# Altium PCB MC21R01.PcbDoc (part 4 of 5)
Units mm, origin at the board's own origin, x right, y up, seen from the top; angles counter-clockwise.
Board outline 100 x 50 mm, 8 copper layers (Top Layer, Layer 2, Layer 3, Layer 4, Layer 5, Layer 6, Layer 7, Bottom Layer), stack 1.724 mm thick; 418 components, 332 nets, 1931 pads, 729 vias.
Unrouted connection lines stored in the file: 192.
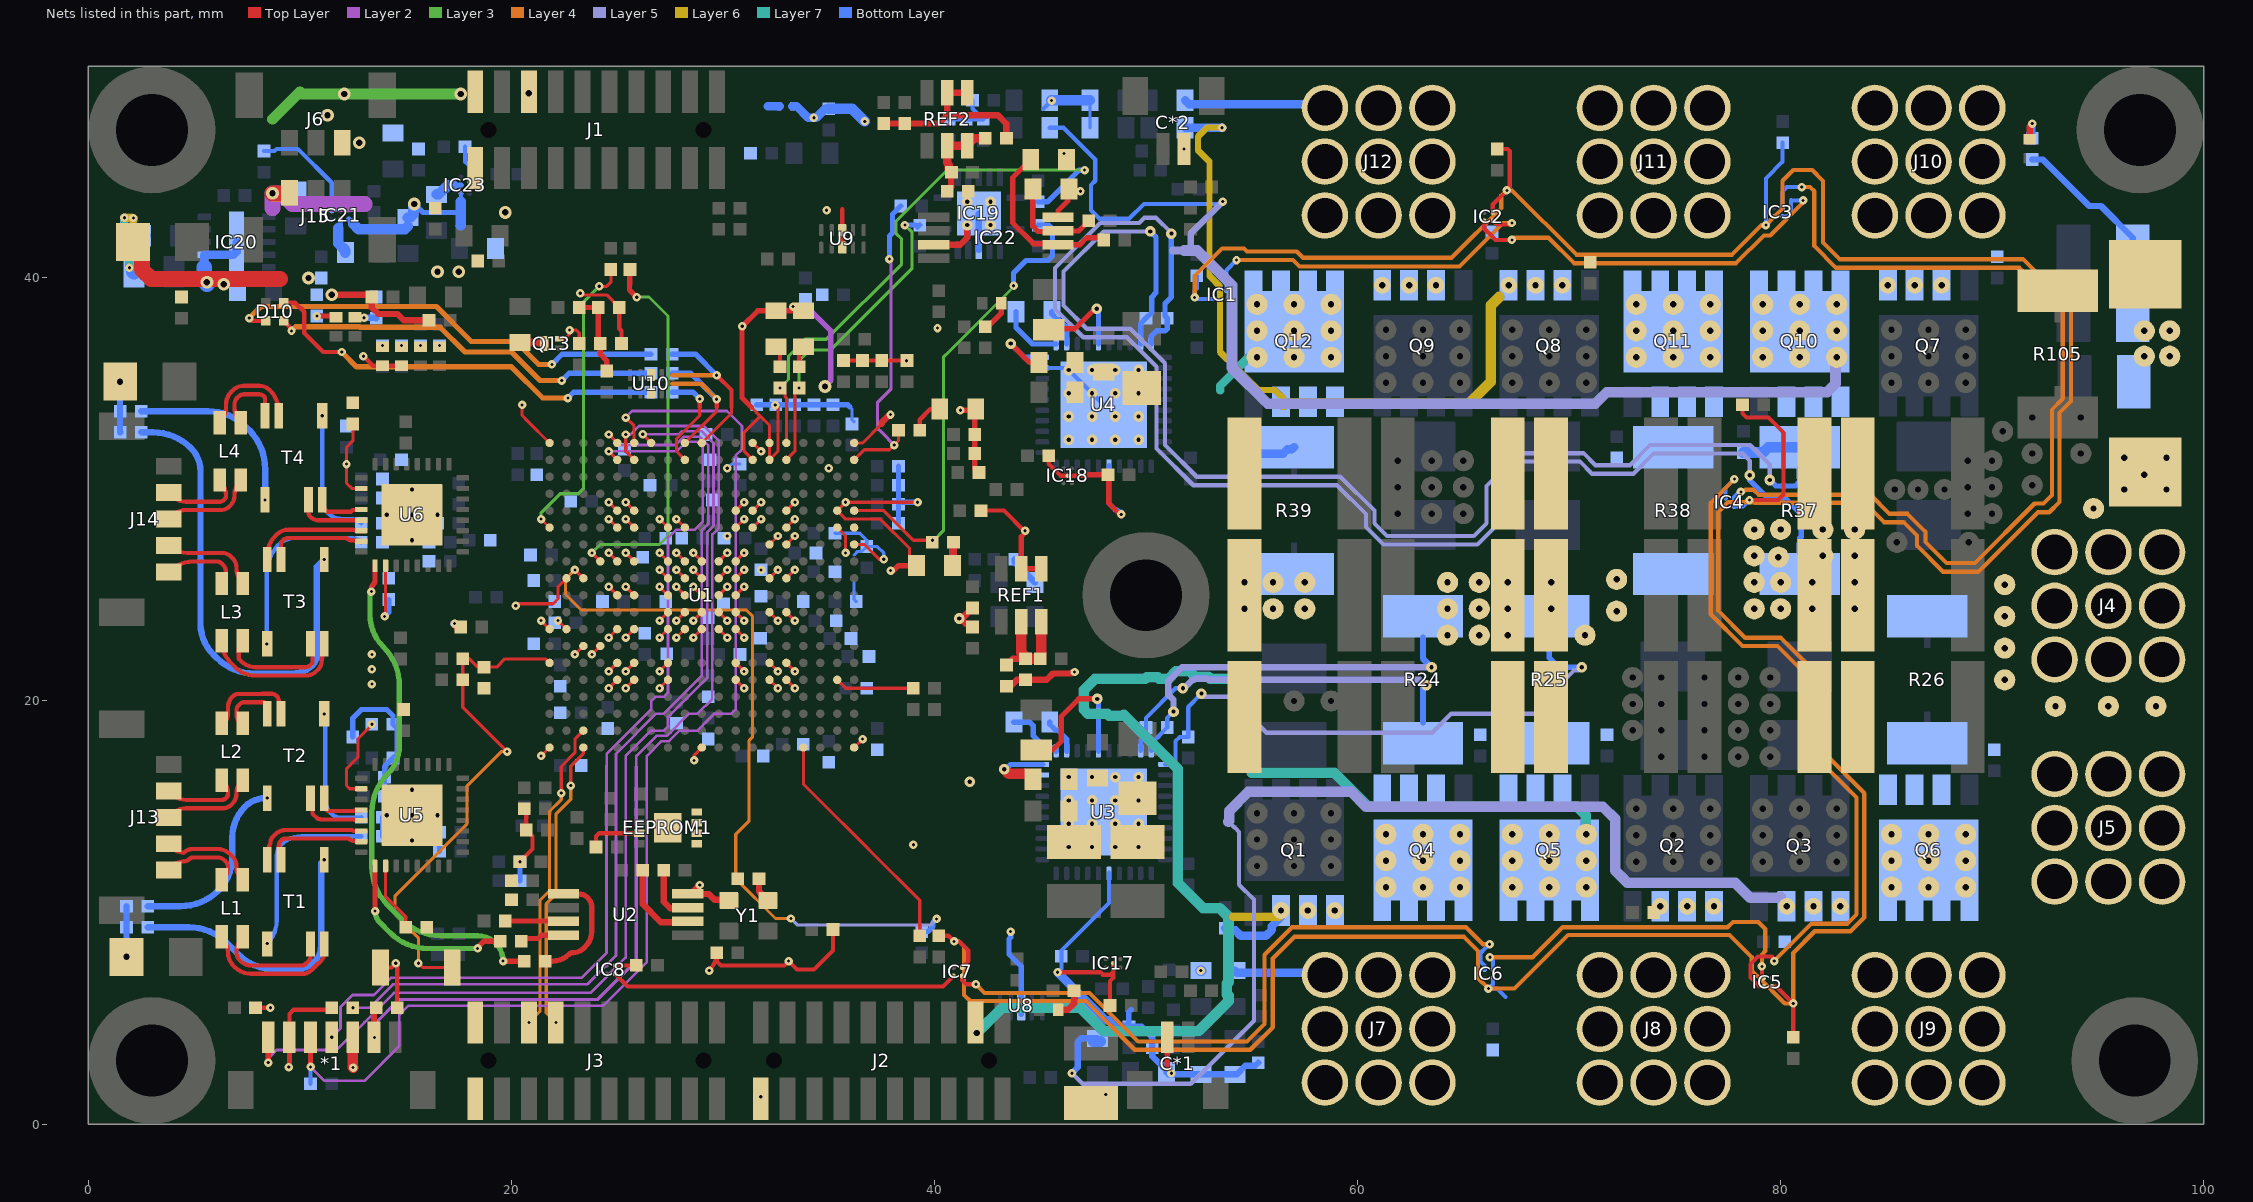
[diagram p10: the nets of this part, all layers, seen from the top]

## Via types
v1: diameter 0.4, hole 0.15, Top Layer to Bottom Layer, 552 vias
v2: diameter 0.5, hole 0.2, Top Layer to Bottom Layer, 131 vias
v3: diameter 0.6, hole 0.3, Top Layer to Bottom Layer, 45 vias
v4: diameter 0.4/0.4/0.4/0.4/0.4/0.4/0.4/0.4 (per signal layer), hole 0.15, Top Layer to Bottom Layer, 1 vias

## Nets (pads, with @x,y where several pads share a name; then routed paths per layer and width w, separated by ;. In a path a pad name is that pad's centre, name@x,y a point inside that pad or via, vN(x,y) a via of type N, cw(c..) or ccw(c..) an arc to the next point about the centre after c; other vN are vias at no path point) (continued)
GND: *1.3 C1.2 C2.2 C3.2 C4.2 C6.2 C7.2 C9.2 C10.2 C11.2 C12.2 C25.1 C27.2 C29.2 C30.2 C32.2 C33.2 C34.2 C35.2 C48.1 C50.2 C51.2 C52.1 C53.1 C54.2 C56.1 C57.2 C58.1 C59.1 C60.2 C62.1 C63.2 C64.2 C65.2 C66.2 C67.2 C68.2 C69.2 C70.2 C71.2 C72.2 C73.2 C74.2 C75.2 C76.2 C77.2 C78.2 C79.2 C80.2 C81.2 C82.2 C83.2 C84.2 C85.2 C86.2 C87.2 C88.2 C122.2 C123.2 C132.2 C134.2 C135.2 C136.2 C138.2 C139.2 C140.2 C141.2 C142.2 C143.2 C144.2 C145.2 C146.2 C149.2 C150.2 C151.2 C152.2 C153.2 C154.2 C155.2 C156.2 C157.2 C158.2 C159.2 C160.2 C161.2 C162.2 C163.2 C164.2 C165.2 C166.2 C167.2 C168.2 C170.2 C171.2 C172.2 C173.2 C174.2 C175.2 C176.2 C177.2 C178.2 C179.2 C180.2 C181.2 C182.2 C183.2 C184.2 C185.2 C186.2 C187.2 C188.2 C189.2 C190.2 C191.2 C192.2 C193.2 C194.2 C195.2 C197.2 C198.2 C199.2 C200.2 C201.2 C202.2 C203.2 C204.2 C205.2 C206.2 C207.2 C208.2 C209.2 C210.2 C211.2 D3.K D4.K EEPROM1.1 EEPROM1.2 EEPROM1.3 EEPROM1.4 EEPROM1.7 EEPROM1.9 IC1.A2 IC2.A2 IC3.A2 IC4.A2 IC5.A2 IC6.A2 IC7.A2 IC8.A2 IC20.1 IC20.2 IC20.11 IC21.C2 IC23.C2 J1.15 J1.19 J1.20 J2.3 J2.20 J3.19 J3.20 J5.1 J6.3 J15.3 NT7.2 pad.17@54.657,24.36 pad.17@54.657,25.61 pad.17@56.007,24.36 pad.17@56.007,25.61 pad.17@57.507,24.36 pad.17@57.507,25.61 pad.17@64.257,23.11 pad.17@64.257,24.36 pad.17@64.257,25.61 pad.17@65.757,23.11 pad.17@65.757,24.36 pad.17@65.757,25.61 pad.17@67.107,23.11 pad.17@67.107,24.36 pad.17@67.107,25.61 pad.17@69.157,24.36 pad.17@69.157,25.61 pad.17@70.757,23.11 pad.17@72.25,24.25 pad.17@72.25,25.75 pad.17@78.757,24.36 pad.17@78.757,25.61 pad.17@78.757,26.86 pad.17@78.757,28.11 pad.17@79.9,26.8 pad.17@80.007,24.36 pad.17@80.007,25.61 pad.17@80.007,28.11 pad.17@81.507,24.36 pad.17@81.507,25.61 pad.17@82,26.86 pad.17@82,28.11 pad.17@83.507,24.36 pad.17@83.507,25.61 pad.17@83.507,26.86 pad.17@83.507,28.11 pad.17@90.6,21 pad.17@90.6,22.5 pad.17@90.6,24 pad.17@90.6,25.5 pad.17@93,19.75 pad.17@95.5,19.75 pad.17@97.2,36.3 pad.17@97.2,37.5 pad.17@97.75,19.75 pad.17@98.4,36.3 pad.17@98.4,37.5 Q13.2 R5.1 R6.1 R7.1 R8.1 R14.2 R24.1 R25.1 R26.1 R33.1 R37.1 R38.1 R39.1 R43.1 R49.2 R57.2 R107.1 R108.1 R112.1 R121.1 S1.2 U1.A1 U1.A10 U1.A19 U1.E5 U1.E6 U1.E8 U1.E12 U1.E14 U1.E15 U1.F5 U1.F6 U1.F8 U1.F12 U1.F14 U1.F15 U1.G16 U1.G17 U1.H8 U1.H9 U1.H10 U1.H11 U1.H12 U1.H14 U1.H15 U1.H18 U1.H19 U1.J5 U1.J6 U1.J8 U1.J9 U1.J10 U1.J11 U1.J12 U1.K8 U1.K9 U1.K10 U1.K11 U1.K12 U1.K14 U1.K15 U1.L5 U1.L6 U1.L8 U1.L9 U1.L10 U1.L11 U1.L12 U1.L18 U1.M8 U1.M9 U1.M10 U1.M11 U1.M12 U1.M14 U1.M15 U1.N1 U1.N5 U1.N6 U1.P7 U1.P8 U1.P11 U1.P12 U1.P14 U1.P15 U1.R7 U1.R8 U1.R14 U1.R15 U1.W7 U1.W19 U2.4 U3.39 U3.41 U4.39 U4.41 U5.33@15.3,14.6 U6.33@15.3,28.8 U8.3@44.1,5.183 U8.8@44.1,6.018 U9.3@35.644,41.432 U9.8@35.644,42.267 U10.3@26.6,34.582 U10.8@26.6,35.417 Y1.2 | length 387.9
  Top Layer w0.15: v1(20.2,24.5) 20.3,24.6 21.966,24.6 22.2,24.834 22.2,25 22.2,25.4 U1.L18@22.6,25.8 ; v1(20.5,34) 20.5,33.5 20.772,33.228 U1.W19@21.8,32.2 ; v1(21.4,17.4) U1.A19@21.8,17.8 ; v1(21.4,23.8) U1.H19@21.8,23.4 ; v1(22.2,23.8) U1.H18@22.6,23.4 ; Q13.2@22.25,37.125 22.525,37.125 22.75,37.35 v1(22.75,37.534) 23.066,37.534 23.2,37.4 C88.2@23.2,36.9 ; v1(23,22.2) U1.G17@23.4,22.6 ; v1(23.25,39.275) 23.3,39.225 23.3,39.2 24.5,39.2 R121.1@25.1,38.6 ; v1(23.8,22.2) U1.G16@24.2,22.6 ; v1(24.6,20.6) U1.E15@25,21 ; v1(24.6,21.4) U1.F15@25,21.8 ; v1(24.6,23) U1.H15@25,23.4 ; v1(24.6,25.4) U1.K15@25,25 ; v1(24.6,27) U1.M15@25,26.6 ; v1(24.6,28.6) U1.P15@25,28.2 ; v1(24.6,29.4) U1.R15@25,29 ; v1(25.4,20.6) U1.E14@25.8,21 ; v1(25.4,21.4) U1.F14@25.8,21.8 ; v1(25.4,23) U1.H14@25.8,23.4 ; v1(25.4,25.4) U1.K14@25.8,25 ; v1(25.4,27) U1.M14@25.8,26.6 ; v1(25.4,28.6) U1.P14@25.8,28.2 ; v1(25.4,29.4) U1.R14@25.8,29 ; v1(27,20.6) U1.E12@27.4,21 ; v1(27,21.4) U1.F12@27.4,21.8 ; v1(27,23) U1.H12@27.4,23.4 ; v1(27,23.8) U1.J12@27.4,24.2 ; v1(27,25.4) U1.K12@27.4,25 ; v1(27,26.2) U1.L12@27.4,25.8 ; v1(27,27) U1.M12@27.4,26.6 ; v1(27,28.6) U1.P12@27.4,28.2 ; v1(27.8,23) U1.H11@28.2,23.4 ; v1(27.8,23.8) U1.J11@28.2,24.2 ; v1(27.8,25.4) U1.K11@28.2,25 ; v1(27.8,26.2) U1.L11@28.2,25.8 ; v1(27.8,27) U1.M11@28.2,26.6 ; v1(27.8,28.6) U1.P11@28.2,28.2 ; v1(28.6,23) U1.H10@29,23.4 ; v1(28.6,23.8) U1.J10@29,24.2 ; v1(28.6,25.4) U1.K10@29,25 ; v1(28.6,26.2) U1.L10@29,25.8 ; v1(28.6,27) U1.M10@29,26.6 ; v1(28.635,17.189) 28.635,17.435 U1.A10@29,17.8 ; U1.H9@29.8,23.4 v1(30.2,23) ; U1.J9@29.8,24.2 v1(30.2,23.8) ; U1.K9@29.8,25 v1(30.2,25.4) ; U1.L9@29.8,25.8 v1(30.2,26.2) ; U1.M9@29.8,26.6 v1(30.2,27) ; U1.E8@30.6,21 v1(31,20.6) ; U1.F8@30.6,21.8 v1(31,21.4) ; U1.H8@30.6,23.4 v1(31,23) ; U1.J8@30.6,24.2 v1(31,23.8) ; U1.K8@30.6,25 v1(31,25.4) ; U1.L8@30.6,25.8 v1(31,26.2) ; U1.M8@30.6,26.6 v1(31,27) ; U1.P8@30.6,28.2 v1(31,28.6) ; U1.R8@30.6,29 v1(31,29.4) ; U1.P7@31.4,28.2 v1(31.8,28.6) ; U1.R7@31.4,29 v1(31.8,29.4) ; U1.W7@31.4,32.2 v1(31.8,31.8) ; U1.E6@32.2,21 v1(32.6,20.6) ; U1.F6@32.2,21.8 v1(32.6,21.4) ; U1.J6@32.2,24.2 v1(32.6,23.8) ; U1.L6@32.2,25.8 v1(32.6,26.2) ; U1.N6@32.2,27.4 v1(32.6,27.8) ; U1.E5@33,21 v1(33.4,20.6) ; U1.F5@33,21.8 v1(33.4,21.4) ; U1.J5@33,24.2 v1(33.4,23.8) ; U1.L5@33,25.8 v1(33.4,26.2) ; U1.N5@33,27.4 v1(33.4,27.8) ; U1.A1@36.2,17.8 v1(36.6,18.2) ; U1.N1@36.2,27.4 36.687,27.4 37.387,26.7 v1(37.6,26.7)
  Top Layer w0.2: C56.1@7.9,5.5 v1(8.6,5.5) ; v1(13,36.3) 13.45,35.85 D3.K@13.9,35.85 D4.K@14.8,35.85 ; S1.2@13.8,7.4 14.332,7.4 v1(14.53,7.598) ; R5.1@14.6,5.5 v1@14.6,7.528 ; C1.2@20.4,12.4 21,13 21,13.6 R7.1@20.7,13.9 20.7,14.8 R8.1@20.6,14.9 ; C63.2@24,13.1 24,13.6 24.15,13.75 25.145,13.75 EEPROM1.7@26.05,13.75 ; IC8.A2@24.9,7.5 C87.2@25.9,7.5 ; R121.1@25.1,38.6 25.1,37.6 25.2,37.5 C122.2@25.2,36.9 ; v1(29.35,7.256) ccw(c28.506,8.1) C132.2@29.7,8.1 29.7,7.7 29.9,7.5 32.9,7.5 v1(33.1,7.7) 33.5,7.3 34.3,7.3 35.2,8.2 C123.2@35.2,9.2 ; U9.8@35.644,42.267 35.644,43.244 ; C86.2@40.2,8.9 40.656,8.9 v1(40.925,8.631) 41.169,8.631 41.6,8.2 41.6,7.714 41.3,7.414 IC7.A2@41.3,7.4 ; C9.2@47.4,1 47.7,1 v1(48.1,1.4) ; IC2.A2@66.395,43.1 66.395,43.47 v1(67.066,44.141) 67.2,44.275 67.2,46 67.1,46.1 C81.2@66.6,46.1 ; C83.2@78.2,34 78.2,33.6 78.4,33.4 79.426,33.4 80.14,32.686 80.14,29.749 79.889,29.498 v1(78.533,29.498) ; IC5.A2@79.6,6.5 79.8,6.5 v1(80.6,5.7) C84.2@80.6,4.1
  Top Layer w0.3: v3(11.5,39.2) 13.3,39.2 C134.2@13.4,39.1 13.4,38.6 13.7,38.3 14.6,38.3 14.9,38 C135.2@16.1,38 ; U2.4@28.338,10.875 U2.4@28.475,10.875 ; v1(28.9,11.3) U2.4@28.475,10.875 ; Y1.2@30.275,10.568 30.243,10.6 29.6,10.6 29.325,10.875 U2.4@28.475,10.875 ; U9.3@35.644,41.432 U9.8@35.644,42.267
  Top Layer w0.4: J15.3@9.5,44.025 J15.3@9.5,44.03 ; v1(17.308,23.658) 17.308,23.644 17.452,23.5 R6.1@17.6,23.5 ; J2.20@31.785,1.2 v1(31.785,1.285)
  Top Layer w0.5: *1.3@12.5,4.1 12.5,2.678 v1(12.509,2.669)
  Top Layer w0.75: C165.2@2.1,41.7 2.525,41.275 2.525,40.396 ; 2.521,40.4 2.525,40.396 ; v3(8.7,44) 9.475,44 J15.3@9.5,44.025 ; 9.061,39.957 2.964,39.957 2.525,40.396
  Layer 2 w0.75: 8.7,43.3 v3(8.7,44) 9.132,44 9.632,43.5 13.052,43.5
  Layer 3 w0.5: 8.7,47.5 10,48.8 10.1,48.7 v3(17.6,48.7)
  Layer 4 w0.2: v1(40.925,8.631) 41.169,8.631 41.4,8.4 41.4,6.1 41.69,5.81 47.17,5.81 49.47,3.51 54.93,3.51 55.99,4.57 55.99,7.824 57.018,8.851 64.958,8.851 64.96,8.849 65.031,8.849 65.7,8.18 65.7,6.893 v1(66.191,6.402) 67.422,6.402 69.959,8.939 77.593,8.939 78.635,7.897 78.635,7.252 78.919,6.968 78.932,6.968 80.2,5.7 v1(80.6,5.7) 80.6,8.091 81.621,9.112 83.307,9.112 83.958,9.763 83.958,15.642 82.183,17.417 82.183,20.817 80.015,22.985 78.335,22.985 77.06,24.26 77.06,28.935 77.525,29.4 78.328,29.4 78.427,29.498 v1(78.533,29.498) 78.647,29.384 78.789,29.384 78.796,29.377 83.978,29.377 84.899,28.455 85.821,28.455 86.45,27.827 86.45,27.345 87.684,26.11 89.364,26.11 92.179,28.925 92.705,28.925 93.191,29.411 93.191,33.629 93.735,34.172 93.735,38.625 91.47,40.89 82.797,40.89 82.01,41.677 82.01,44.59 81.5,45.1 80.6,45.1 80.1,44.6 80.1,43.29 v1(79.309,42.498) 79.098,42.498 77.702,41.102 70.348,41.102 67.309,44.141 v1(67.066,44.141) 67.041,44.141 66.8,43.9 66.8,43.308 64.448,40.955 57.425,40.955 57.126,41.254 54.778,41.254 54.631,41.4 53.6,41.4 52.3,40.1 v1(52.3,39.081)
  Layer 6 w0.4: v1(1.698,42.85) 2.011,42.85 2.128,42.733 v1(2.128,42.835)
  Layer 7 w0.125: v1@30.2,31.016 v1@30.212,31.029
  Layer 7 w0.4: v1(1.698,42.85) 1.698,41.664 1.936,41.427 v1(1.936,40.486)
  Layer 7 w0.5: v3(42,4.3) 43.2,5.5 46.9,5.5 48.024,4.376 52.477,4.376 53.9,5.799 53.9,6.064 53.824,6.14 53.824,6.617 53.825,6.618 53.825,6.638 53.9,6.713 53.9,9.8 53.5,10.2 52.7,10.2 51.5,11.4 51.5,16.8 48.944,19.356 48.893,19.304 48.271,19.304 48.175,19.4 47.254,19.4 47.05,19.604 47.05,20.511 47.597,21.057 49.973,21.057 50.041,21.125 50.559,21.125 50.627,21.057 51.071,21.057 51.414,21.4 52.076,21.4 52.326,21.15 52.952,21.15 53.045,21.057 54.8,21.057
  Bottom Layer w0.15: v1@23.225,39.275 v1(23.25,39.275) ; v1@30.212,31.029 30.229,31.029 30.4,31.2 C150.2@30.8,31.2 ; C178.2@35.297,27.932 36.468,27.932 36.8,27.6 C182.2@36.8,27.3 ; 36.2,25.566 36.2,24.8 C180.2@36.3,24.7 ; 36.2,26.9 36.375,27.075 36.575,27.075 C182.2@36.8,27.3 ; v1(37.6,26.7) 37.6,27 37.3,27.3 C182.2@36.8,27.3
  Bottom Layer w0.2: 17.611,43.611 IC23.C2@17.611,43.989 ; U4.39@45.125,35.75 46.25,35.75 U4.41@48,34 ; C80.2@52.4,40.1 52.4,39.5 52.3,39.4 v1(52.3,39.081) 52.381,39 IC1.A2@53.4,39 ; IC6.A2@66.4,6.9 66.4,6.611 v1(66.191,6.402) 66.598,6.402 67,6 ; IC4.A2@77.8,29.2 78.228,29.2 78.529,29.501 v1(78.533,29.498) ; v1(79.309,42.498) v1@79.309,42.509 ; IC3.A2@79.7,42.9 v1@79.309,42.509 ; C82.2@80.1,46.4 80.1,45.5 79.309,44.709 v1@79.309,42.509
  Bottom Layer w0.25: IC21.C2@12.3,42.77 12.511,42.559 12.511,42.459 ; C67.2@12.5,18.3 12.5,19.2 12.9,19.6 14.1,19.6 14.4,19.3 C54.2@14.4,18.9 14.6,18.7 14.6,17.5 C66.2@14.4,17.3 14,16.9 C65.2@14,16.4 C64.2@14,15.5 14,14.6 C53.1@13.9,14.5 C52.1@13.9,13.6 ; v3(15.4,43.5) 15.42,43.5 15.82,43.1 17.511,43.1 17.611,43.2 ; C68.2@16.6,12.9 C70.2@16.6,13.8 ; C71.2@20.4,11.5 v1(20.4,12.4) ; v1(43.6,9.1) 43.6,8.813 43.525,8.738 43.525,8.027 44.1,7.452 U8.8@44.1,6.018 U8.3@44.1,5.183
  Bottom Layer w0.3: C170.2@43.8,26.7 43.8,26.55 R108.1@44.75,25.6 ; R33.1@91.9,45.6 92.4,45.6 94.6,43.4 95.15,43.4 96.65,41.9 C203.2@96.65,41.25
  Bottom Layer w0.4: v1(1.936,40.486) 1.964,40.486 C166.2@2.15,40.3 ; IC20.1@5.475,40.5 IC20.2@5.475,41.1 6.85,41.1 7,41.25 IC20.11@7,41.7 ; v1@17.294,23.658 v1(17.308,23.658) ; 32.125,48.125 NT7.2@32.675,48.125
  Bottom Layer w0.5: 12.511,42.559 12.77,42.3 14.007,42.3 14.95,42.3 C173.2@15.1,42.45 ; C173.2@15.1,42.85 15.2,42.85 15.35,43 15.35,43.423 15.4,43.473 v3(15.4,43.5) ; 17.611,42.5 17.611,43.2 17.611,43.611
  Bottom Layer w0.75: C166.2@2.15,40.3 2.15,40.55 2.525,40.925 2.525,41.975 C167.2@2.55,42 ; IC20.1@5.475,40.5 5.475,39.925 v3(5.6,39.8) v3@5.6,39.716
  other v1: 13.4,20.8 13.4,21.5 13.4,22.2 30.201,31
  other v2: 46.35,13.1 47.45,13.1 48.55,13.1 49.65,13.1 15.3,13.4 46.35,14.2 47.45,14.2 48.55,14.2 49.65,14.2 14.1,14.6 15.3,14.6 16.5,14.6 46.35,15.3 47.45,15.3 48.55,15.3 49.65,15.3 15.3,15.8 46.35,16.4 47.45,16.4 48.55,16.4 49.65,16.4 15.3,27.6 14.1,28.8 15.3,28.8 16.5,28.8 15.3,30 46.35,32.35 47.45,32.35 48.55,32.35 49.65,32.35 46.35,33.45 47.45,33.45 48.55,33.45 49.65,33.45 46.35,34.55 47.45,34.55 48.55,34.55 49.65,34.55 46.35,35.65 47.45,35.65 48.55,35.65 49.65,35.65
  other v3: 6.4,39.7 10.4,40 16.5,40.3 17.5,40.3 19.7,43.1 12.8,46.4 11.3,47.7 12.1,48.7 20.81,48.735
GNDA: C19.2 C20.2 C21.2 C26.2 C42.2 C43.2 C44.2 C49.2 C96.2 C97.2 C98.2 C99.2 C100.2 C101.2 C102.2 C103.2 C104.1 C105.1 C106.1 C107.1 C108.1 C109.1 C110.1 C111.1 C112.1 C113.1 C114.1 C115.1 C116.2 C117.2 C118.2 C119.2 C120.2 C121.2 C124.2 C125.2 C126.2 C127.2 C128.2 C129.2 C130.2 C131.2 C137.2 C147.2 C148.2 C196.2 C*1.2 C*2.2 IC17.B2 IC18.B2 IC19.11 IC19.15 IC22.4 IC22.7 NT7.1 R21.1 R22.1 R23.1 R34.1 R35.1 R36.1 R114.1 R115.1 REF1.1 REF1.2 REF2.1 REF2.2 U1.P1 U1.P2 U1.P5 U1.R2 U1.R5 U1.V6 U1.V7 U1.W1 U1.W6 U3.25 U4.25 | length 119.8
  Top Layer w0.15: 31.335,33.9 31.767,33.467 ; U1.V7@31.4,31.4 31,31.8 31,32.7 31.767,33.467 ; v1@32.55,33.9 32.6,33.85 32.6,31.8 U1.V6@32.2,31.4 U1.W6@32.2,32.2 32.2,33.035 31.767,33.467 ; U1.P5@33,28.2 v1(33.4,28.6) ; U1.R5@33,29 v1(33.4,29.4) ; U1.P2@35.4,28.2 35.8,27.8 v1(35.8,27) ; U1.W1@36.2,32.2 36.6,32.2 37.5,33.1 ; C120.2@39.15,26.5 38.825,26.825 38.825,27.209 37.434,28.6 35.8,28.6 U1.R2@35.4,29 v1(35.8,29.4) v1(39.2,29.4)
  Top Layer w0.2: C115.1@35.7,36.1 C114.1@36.6,36.1 C113.1@37.5,36.1 38.664,36.1 v1(38.675,36.089) ; C105.1@42.2,29 43.291,29 v1@44.286,28.005 ; C109.1@45.4,31.6 45.4,31.212 45.959,30.653 46.294,30.653 IC18.B2@46.3,30.647 47.147,30.647 ; v1(45.821,7.175) 47.844,7.175 47.959,7.06 48.332,7.06 48.447,7.175 ; C108.1@48.3,5.7 48.3,6.753 48.447,6.9 48.447,7.175 ; IC17.B2@48.447,7.6 48.447,7.175
  Top Layer w0.25: v1(30.909,37.719) 30.909,37.709 v1@30.9,37.7 ; 31.335,33.9 30.9,34.335 v1@30.9,37.7 ; v1(32.475,33.989) 32.55,33.914 v1@32.55,33.9 ; v1@33.274,38.45 C119.2@32.5,38.45 31.65,38.45 v1@30.9,37.7 ; v1@33.274,38.644 v1(33.312,38.644) ; v1(37.925,26.162) 38.062,26.162 38.3,26.4 C120.2@39.15,26.4 ; v1(41.228,33.75) 41.9,33.75 C106.1@41.9,32.6 C104.1@41.9,31.7 41.9,31 C107.1@42.1,30.8 ; v1@44.286,28.005 44.312,27.979 44.1,27.767 REF1.2@44.1,26.25 REF1.1@45.05,26.25 ; IC22.4@45.838,42.875 45.838,43.179 46.3,43.641 46.3,44.15 R114.1@46.35,44.2 ; 47.147,30.647 47.2,30.7 C49.2@48.2,30.7 48.229,30.671 48.229,29.361 48.829,28.76 v1(48.829,28.825) ; C*1.2@51,4.1 51,2.641 51.2,2.441 v1(51.2,2.4)
  Top Layer w0.3: 37.5,33.1 37.5,33.166 37.834,33.5 37.9,33.5 37.923,33.523 37.919,33.526 v1(37.919,33.543) ; C103.2@37.6,47.3 C102.2@38.6,47.3 40.2,47.3 40.6,47.7 ; IC22.7@39.962,41.575 41.225,41.575 41.548,41.899 v2(41.548,42.5) ; v2(41.175,23.9) 41.229,23.9 41.479,23.65 41.65,23.65 C101.2@41.8,23.5 ; v2@41.3,23.9 C100.2@41.8,24.4 ; REF2.1@41.55,48.75 REF2.2@40.6,48.75 40.6,47.7 ; C96.2@43.4,20.7 43.6,20.7 43.9,21 C97.2@44.3,21 45.3,21 45.6,21.3 46.466,21.3 46.536,21.37 v1(46.622,21.37) ; C99.2@43.4,46.6 43.4,47.3 43,47.7 40.6,47.7
  Layer 2 w0.25: v1(33.312,38.644) 33.312,38.606 33.318,38.6 34,38.6 35.1,37.5 35.1,35.149 v3(34.821,34.87)
  Bottom Layer w0.15: 36,33.9 36.101,33.799 36.101,33.299 C110.1@36.2,33.2 ; R34.1@45.45,48.4 45.524,48.4 v1(45.536,48.389) ; R35.1@47.35,47.1 R36.1@47.35,48.4
  Bottom Layer w0.2: C116.2@40.7,47.5 C117.2@41.5,47.5 C196.2@42.3,47.5 41.8,48 C44.2@41.8,48.4 ; R34.1@45.15,48 45.45,48.3 R34.1@45.45,48.4 ; v1(45.821,7.175) 46,7.354 C26.2@46,7.931 46,8.2 48.25,10.45 U3.25@48.25,11.875
  Bottom Layer w0.25: C125.2@31.6,34 C124.2@32.5,34 ; v1(32.475,33.989) 32.489,33.989 C124.2@32.5,34 ; 36,33.9 35.9,34 C111.1@35.2,34 C126.2@34.3,34 C127.2@33.4,34 C124.2@32.5,34 ; v1(37.925,26.162) v1@37.987,26.1 ; C130.2@38.3,28.4 C128.2@38.3,29.3 C131.2@38.3,30.2 C129.2@38.3,31.1 ; C128.2@38.4,29.4 v1(39.2,29.4) ; U4.25@48.25,31.125 48.25,29.339 48.558,29.032 48.622,29.032 v1(48.829,28.825) v1@48.829,28.925 ; C20.2@49.2,4.6 49.181,4.619 49.181,5.281 49.3,5.4 ; R23.1@50.976,2.424 51.176,2.424 v1(51.2,2.4)
  Bottom Layer w0.3: v1(37.919,33.543) v1@37.923,33.546 ; IC19.11@42.098,41.325 IC19.15@42.098,43.05 ; C20.2@49.2,4.6 49.8,4.6 50.3,4.1 C19.2@50.3,3.6 50.3,3.2 50.976,2.524 R23.1@50.976,2.424 51.05,2.35 R22.1@52.6,2.35 R21.1@54.2,2.35 54.3,2.35 54.7,2.75 55.15,2.75 C21.2@55.3,2.9
  Bottom Layer w0.4: NT7.1@33.275,48.125 33.475,48.125 34.025,47.575 v1(34.301,47.575) 34.409,47.575 34.834,48 C137.2@35,48 ; v1(45.821,7.175) 48.096,4.9 48.386,4.9 48.65,4.636 48.65,4.6 C20.2@49.2,4.6
  Bottom Layer w0.5: C137.2@35,48 36.1,48 v1(36.7,47.4) ; R34.1@45.524,48.4 R36.1@47.35,48.4
  other v1: 39,13.2 31.8,26.2 30.2,27.8 44.286,28.05 35,31 40.143,37.627 34.9,43.2 46.9,44.1 46.122,45.88 51.8,46.1
  other v2: 41.664,16.177 42.648,42.5 41.548,43.6 42.648,43.6
MCAN_RX_GPIO70: J3.13 U1.A17 | length 13.9
  Top Layer w0.15: v1(22.8,16) 22.8,16.9 22.8,16.914 23.4,17.514 U1.A17@23.4,17.8
  Top Layer w0.2: J3.13@22.095,4.8 v1(22.1,4.8)
  Layer 4 w0.15: v1(22.1,4.8) 21.644,5.256 21.644,10.408 22.1,10.864 22.1,14.653 22.8,15.353 v1(22.8,16)
MCAN_TX_GPIO71: J3.15 U1.B17 | length 14.9
  Top Layer w0.15: v1(22.356,15.644) 22.356,16.52 22.356,16.9 23,17.544 23,18.2 U1.B17@23.4,18.6
  Top Layer w0.2: J3.15@20.81,4.8 v1(20.825,4.8) ; J3.15@20.824,4.799 v1(20.825,4.8) ; v1(20.825,4.8) v1(20.825,4.8) ; J3.15@20.84,4.8 v1(20.825,4.8)
  Layer 4 w0.15: v1(20.825,4.8) 21.343,5.318 21.343,10.567 21.8,11.024 21.8,14.782 22.356,15.338 v1(22.356,15.644)
MCU_TCK: *1.4 U1.V15 | length 47.1
  Top Layer w0.15: v1(24.6,31.8) U1.V15@25,31.4
  Layer 2 w0.125: v1(11.5,4.1) 11.917,4.517 11.917,5.524 12.493,6.1 13.493,6.1 14.303,6.91 23.314,6.91 24.491,8.087 24.491,16.9 cw(c24.941,16.9) 24.5,16.99 24.5,17.5 26.6,19.6 26.6,20 26.8,20.2 27.2,20.2 27.4,20.4 27.4,27.7 27.8,28.1 28.668,28.1 29.05,28.482 29.05,31.989 28.789,32.25 28.25,32.25 27.8,31.8 v1(24.6,31.8)
MCU_TDI: *1.7 U1.W13 | length 50.9
  Top Layer w0.15: v1(26.207,32.61) 26.6,32.216 U1.W13@26.6,32.2
  Top Layer w0.25: v1(8.5,2.9) *1.7@8.5,4.1
  Layer 2 w0.125: v1(8.5,2.9) 8.5,3.1 8.9,3.5 11.736,3.5 13.04,4.804 14.436,6.2 23.726,6.2 25.4,7.874 25.4,16.9 25.4,17.4 26.6,18.6 27.2,18.6 27.4,18.8 27.4,19.246 29.25,21.096 29.25,27.975 29.55,28.275 29.55,32.196 28.996,32.75 28.043,32.75 27.902,32.61 v1(26.207,32.61)
MCU_TDO: *1.6 R2.2 | length 4.6
  Top Layer w0.2: *1.6@9.5,4.1 9.5,5.2 9.7,5.4 11.4,5.4 R2.2@11.5,5.5
  Top Layer w0.25: v1(9.472,2.69) 9.5,2.718 *1.6@9.5,4.1
MCU_TMS: *1.5 R1.1 U1.W14 | length 57.2
  Top Layer w0.15: v1(25.4,33.4) 25.407,33.4 25.8,33.007 U1.W14@25.8,32.2
  Top Layer w0.25: v1(10.5,2.7) *1.5@10.5,4.1
  Layer 2 w0.125: v1(10.5,2.7) 11.156,2.044 13.044,2.044 14.7,3.7 14.7,5.164 15.118,5.583 24.328,5.583 26.4,7.654 26.4,16.9 26.4,17.4 27.1,18.1 27.454,18.1 27.954,18.6 28.8,18.6 29.6,19.4 30.4,19.4 30.6,19.6 30.6,31.6 30.9,31.9 30.9,33 30.192,33.708 25.708,33.708 v1(25.4,33.4)
  Bottom Layer w0.2: R1.1@10.5,1.9 v1(10.5,2.7)
MCU_TRSTn: *1.2 R5.2 U1.V14 | length 48.6
  Top Layer w0.15: v1(25.4,32.6) 25.4,31.8 U1.V14@25.8,31.4
  Top Layer w0.3: *1.2@13.5,4.1 13.5,5.4 R5.2@13.6,5.5
  Layer 2 w0.125: v1(25.4,32.6) 25.63,32.6 26.03,33 29.1,33 29.8,32.3 29.8,28.172 29.5,27.872 29.5,20.993 29.5,20.1 28.8,19.4 28.4,19.4 27.35,18.35 26.85,18.35 25.9,17.4 25.9,16.9
  Layer 2 w0.15: v1(13.527,4.083) 13.527,4.727 14.679,5.879 24.052,5.879 25.9,7.727 25.9,16.9
MCU_XRSn: C4.1 R9.1 R11.1 S1.1 U1.F19 | length 24.3
  Top Layer w0.15: v1(15.6,7.6) 15.8,7.4 S1.1@17.2,7.4 ; v1(19.792,17.608) 17.7,19.7 R11.1@17.7,21 R9.1@17.7,22 18,22 18.4,21.6 C4.1@18.7,21.6 19.3,21.6 19.689,21.989 21.611,21.989 U1.F19@21.8,21.8
  Layer 4 w0.15: v1(15.6,7.6) 15.6,8.8 14.5,9.9 14.5,10.8 17.9,14.2 17.9,16 19.508,17.608 v1(19.792,17.608)
MOTA1: C13.2 J7.1 NT1.2 pad.17@56.385,10.092 pad.17@57.655,10.092 pad.17@58.925,10.092 pad.17@61.344,11.2 pad.17@61.344,12.45 pad.17@61.344,13.7 pad.17@63.094,11.2 pad.17@63.094,12.45 pad.17@63.094,13.7 pad.17@64.844,11.2 pad.17@64.844,12.45 pad.17@64.844,13.7 Q1.1 Q1.2 Q1.3 Q4.5 Q4.6 Q4.7 Q4.8 R17.2 | length 10.1
  Layer 6 w0.4: NT1.2@54.1,9.8 pad.17@56.3,9.8
  Bottom Layer w0.4: C13.2@53.75,9.25 53.85,9.15 54.231,9.15 54.481,8.9 55.669,8.9 55.95,9.181 55.95,9.358 56.385,9.793 pad.17@56.385,10.092 ; R17.2@54.2,7.25 54.305,7.145 58.355,7.145 J7.1@58.46,7.04
MOTA2: C36.2 J10.1 NT4.2 pad.17@79.156,36.25 pad.17@79.156,37.5 pad.17@79.156,38.75 pad.17@80.906,36.25 pad.17@80.906,37.5 pad.17@80.906,38.75 pad.17@82.656,36.25 pad.17@82.656,37.5 pad.17@82.656,38.75 pad.17@85.075,39.657 pad.17@86.345,39.657 pad.17@87.615,39.657 Q7.1 Q7.2 Q7.3 Q10.5 Q10.6 Q10.7 Q10.8 R30.2 | length 53.2
  Layer 5 w0.3: 52.116,41.3 52.116,42.101 v1(53.625,43.61)
  Layer 5 w0.4: NT4.2@51.3,41.3 51.8,41.3
  Layer 5 w0.5: 51.8,41.3 52.116,41.3 52.431,41.3 54.066,39.665 54.066,35.742 55.758,34.05 71.235,34.05 71.785,34.6 82.2,34.6 82.6,35 82.6,36.194 pad.17@82.656,36.25
  Bottom Layer w0.2: R30.2@45.45,47.1 46.1,47.1 47.6,45.6 47.6,44.6 47.4,44.4 47.4,43.2 47.8,42.8 49.2,42.8 49.9,43.5 53.515,43.5 v1(53.625,43.61)
MOTB1: C14.2 J8.1 NT2.2 pad.17@67.321,11.2 pad.17@67.321,12.45 pad.17@67.321,13.7 pad.17@69.071,11.2 pad.17@69.071,12.45 pad.17@69.071,13.7 pad.17@70.821,11.2 pad.17@70.821,12.45 pad.17@70.821,13.7 pad.17@74.314,10.292 pad.17@75.584,10.292 pad.17@76.854,10.292 Q2.1 Q2.2 Q2.3 Q5.5 Q5.6 Q5.7 Q5.8 R18.2 | length 17.5
  Layer 7 w0.5: 55,16.6 58.9,16.6 60.5,15 70.4,15 70.8,14.6 70.8,13.721 pad.17@70.821,13.7
  Bottom Layer w0.5: v1(52.588,7.251) 52.59,7.25 R18.2@52.6,7.25
MOTB2: C37.2 J11.1 NT5.2 pad.17@67.146,39.657 pad.17@68.416,39.657 pad.17@69.686,39.657 pad.17@73.179,36.25 pad.17@73.179,37.5 pad.17@73.179,38.75 pad.17@74.929,36.25 pad.17@74.929,37.5 pad.17@74.929,38.75 pad.17@76.679,36.25 pad.17@76.679,37.5 pad.17@76.679,38.75 Q8.1 Q8.2 Q8.3 Q11.5 Q11.6 Q11.7 Q11.8 R31.2 | length 32.3
  Layer 6 w0.3: v1(53.6,47.1) 53.589,47.111 52.881,47.111 52.458,46.687 52.458,46.042 53,45.5 53,40.1 53.5,39.6 53.5,36.5 54.25,35.75 54.269,35.75 55.319,34.7 56.1,34.7 56.5,34.3 56.5,34